# Altium PCB Archimajor.PcbDoc (part 2 of 12) (continued)
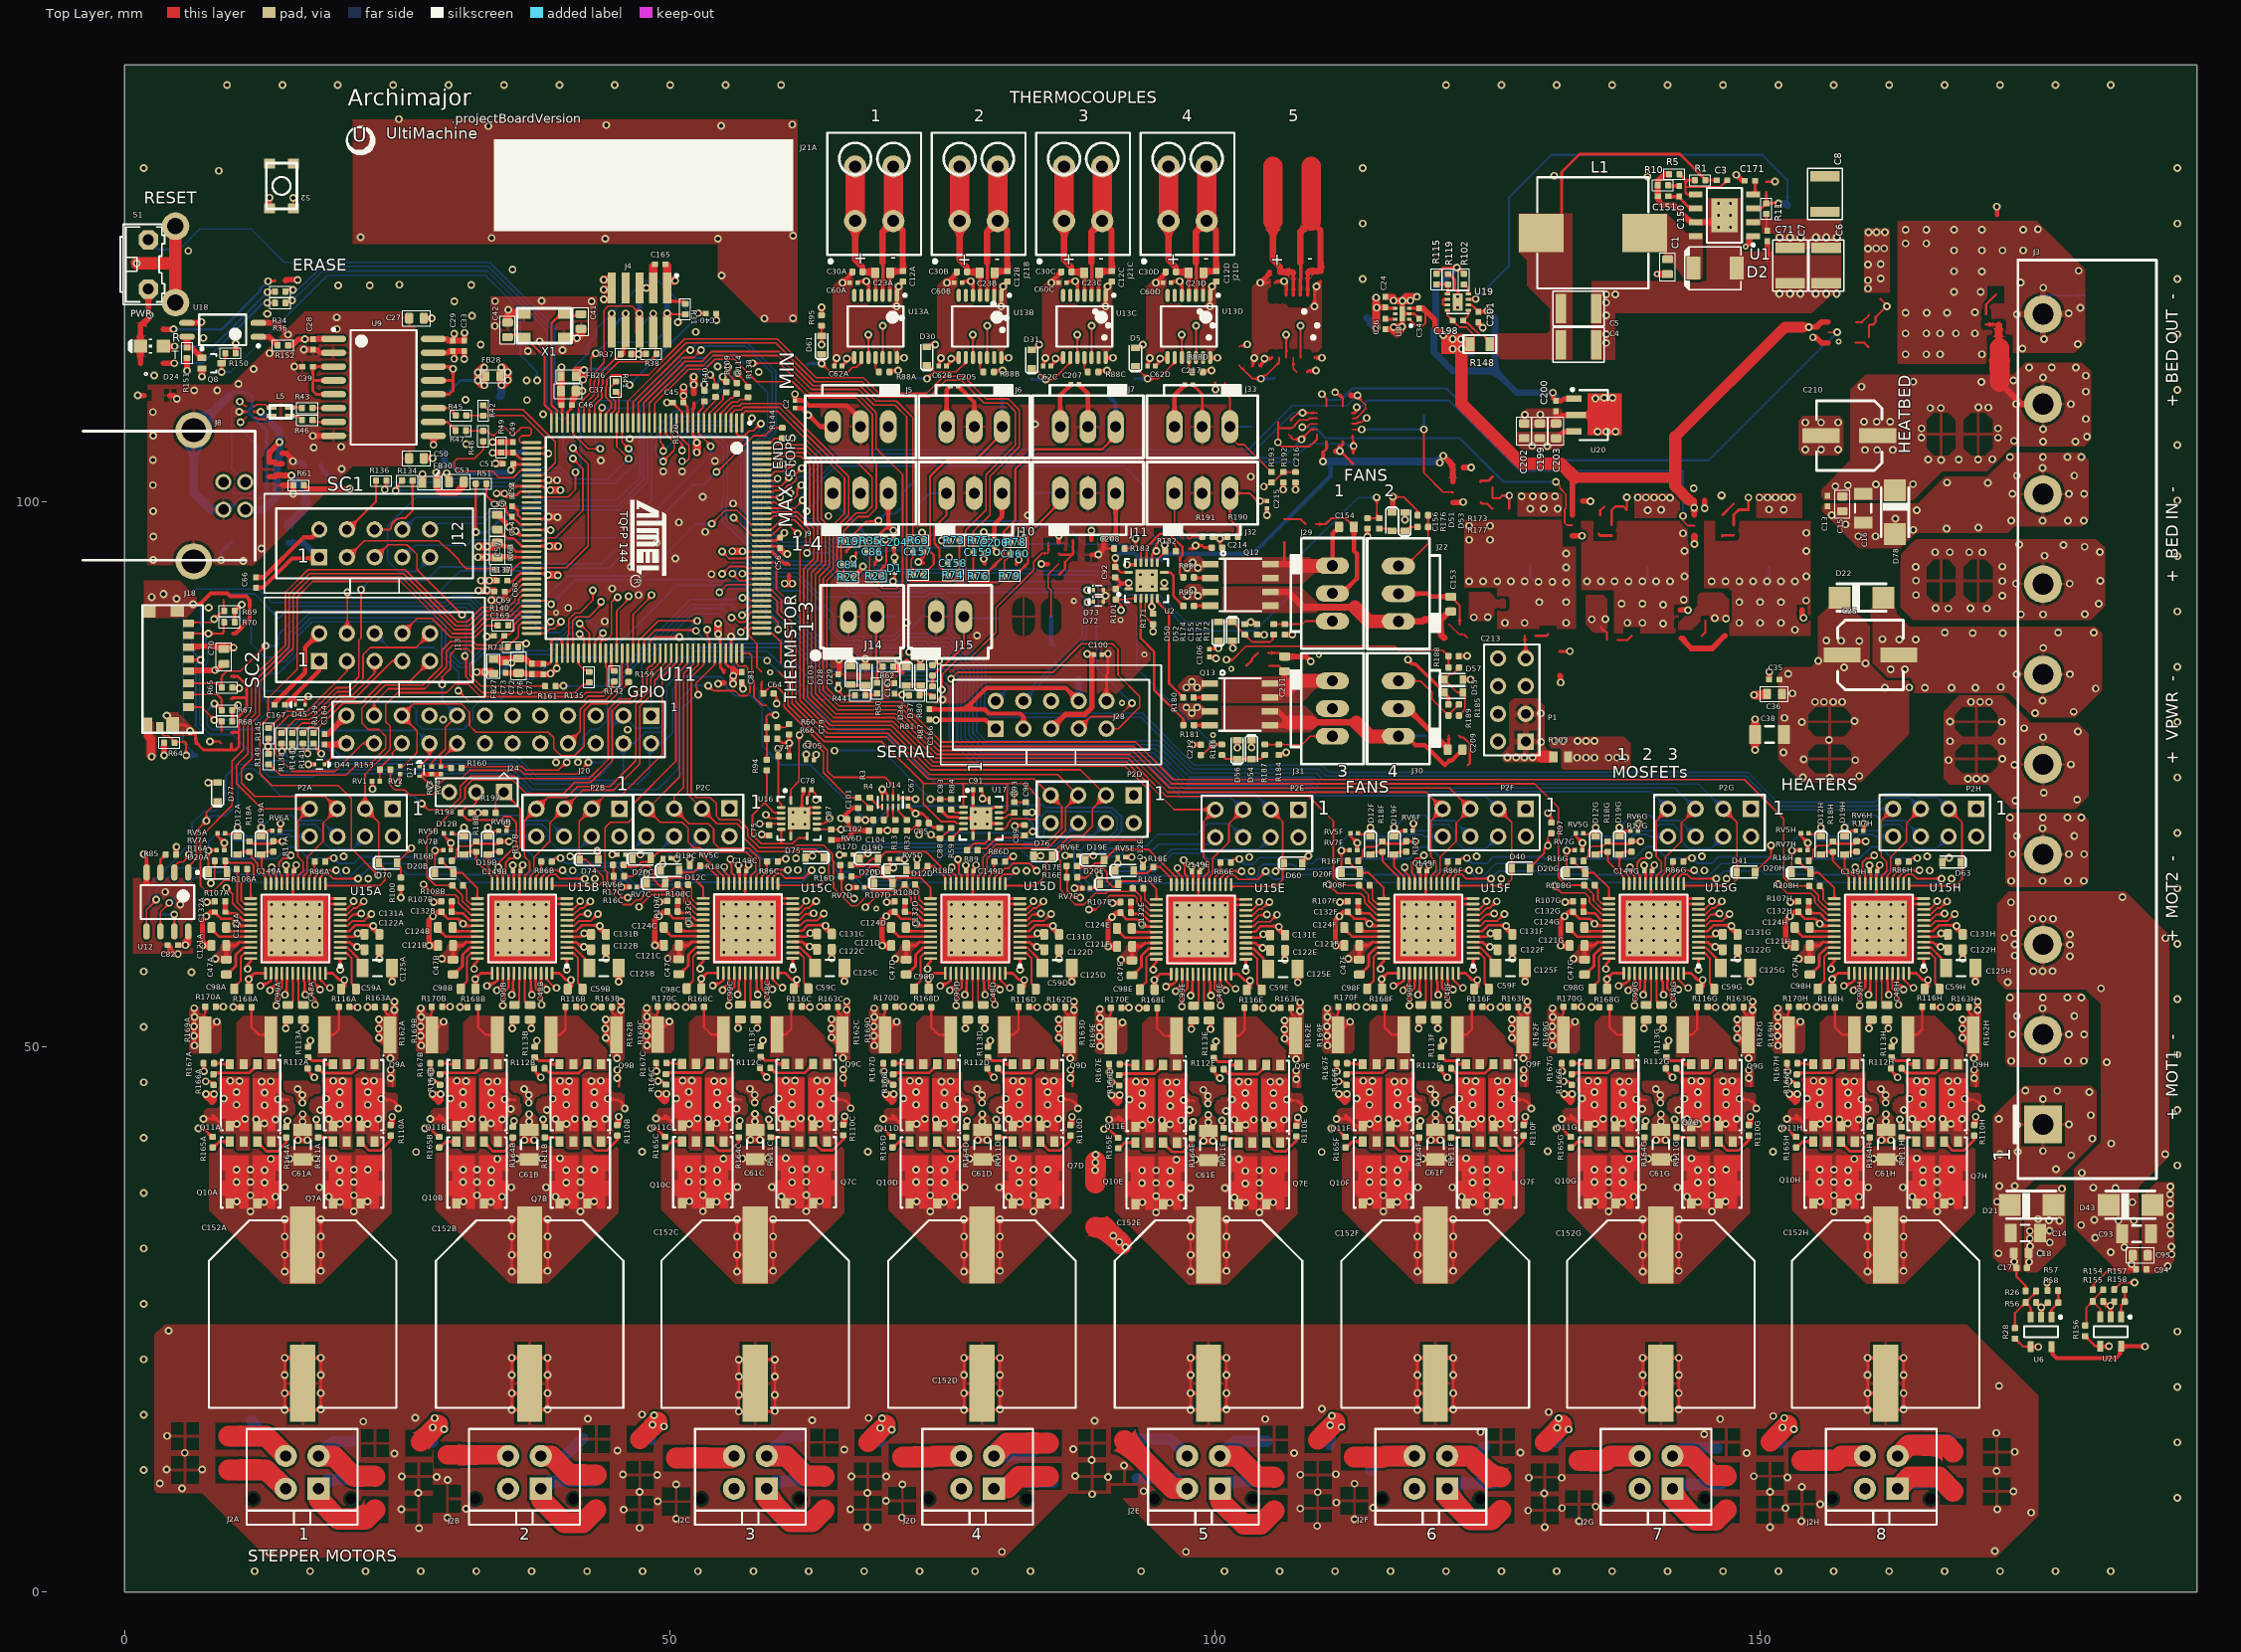
[diagram p0: Top Layer view]
## Footprints (in the part's own frame and the unit in brackets; to place one, negate y for a bottom-side part, rotate by r counter-clockwise, add the part's x,y. Pads: shape width x height; smd on the part's side, far side on the other; paste and mask are expansions set on the pad)
43045-0412 [mm] "Micro-Fit Through Hole 4pos 0.118\" (3.00mm)"
  rect 2.032x2.032 hole 1.02: 1(-1.5,1.5)
  round 2.032 hole 1.02: 2(-1.5,-1.5) 3(1.5,1.5) 4(1.5,-1.5)
  round 0 hole 1.02 unplated: ""(-4.5,2.44) ""(4.5,2.44)
  silkscreen extent -5.07,-3.97 5.08,4.8, body extent -5.07,-3.97 5.08,4.8, height 9.9
"70543-01 PIN-IN-PASTE" [mil]
  oval 60x120 hole 40: 1(-50,0) 2(50,0)
  oval 59x119 on Top Paste: ""(-50,0) ""(50,0)
  silkscreen extent -150,-150 150,113, body extent -150,-150 150,113, height 450
"70543-02 PIN-IN-PASTE" [mil]
  oval 60x120 hole 40: 1(-100,0) 2(0,0) 3(100,0)
  oval 59x119 on Top Paste: ""(-100,0) ""(0,0) ""(100,0)
  silkscreen extent -200,-150 200,113, body extent -200,-150 200,113, height 450
1864286 [mm] "TERM BLOCK 2POS 45DEG 3.5MM PCB"
  round 2.032 hole 1.1: 1(-1.75,-2.5) 1(-1.75,2.5) 2(1.75,-2.5) 2(1.75,2.5)
  silkscreen extent -4.3,-6.34 4.3,5.6, body extent -4.3,-5.6 4.3,5.6, height 10.9
ADuM4160 [mm] "SOIC, 16-Leads, Body 10.30x7.50mm, Pitch 1.27mm, IPC Medium Density"
  oval 2.3x0.6 smd: 1(-4.575,4.445) 2(-4.575,3.175) 3(-4.575,1.905) 4(-4.575,0.635) 5(-4.575,-0.635) 6(-4.575,-1.905) 7(-4.575,-3.175) 8(-4.575,-4.445) 9(4.575,-4.445) 10(4.575,-3.175) 11(4.575,-1.905) 12(4.575,-0.635) 13(4.575,0.635) 14(4.575,1.905) 15(4.575,3.175) 16(4.575,4.445)
  silkscreen extent -4.7,-5.25 3.03,5.42, body extent -3.8,-5.25 3.8,5.25, height 2.65
B3F-31XX [mil]
  oct 70x70 hole 40: 1(-89,-49) 2(89,-49)
  round 100 hole 59: 3(-138,49) 4(138,49)
  silkscreen extent -145,-150 145,10, body extent -165,-200 165,109, height 303
"C0201 Large Pads" [mm] "Chip Capacitor, 2-Leads, Body 0.60x0.30mm, IPC Medium Density"
  rect 0.42x0.42 smd: 1(-0.35,0) 2(0.35,0)
  body extent -0.31,-0.17 0.32,0.16, height 0.33
C0402#1 [mm]
  rect 0.55x0.5 smd: 1(-0.475,0) 2(0.483,0)
  body extent -0.51,-0.25 0.51,0.25, height 0.5
C0402#2 [mm]
  rrect40% 0.559x0.61 smd: 1(-0.475,0) 2(0.475,0)
  body extent -0.5,-0.25 0.51,0.25, height 0.5
C0603 [mm]
  rrect40% 0.74x1 smd: 1(-0.68,0) 2(0.68,0)
  silkscreen extent -1.28,-0.7 1.28,0.7, body extent -0.8,-0.4 0.8,0.4, height 0.8
C1206#1 [mm] "Chip Capacitor, Body 3.2x1.6mm, IPC High Density"
  rect 1.1x1.7 smd: 1(-1.35,0) 2(1.35,0)
  silkscreen extent -0.4,-0.75 0.4,0.75, body extent -1.7,-0.9 1.7,0.9, height 1.3
C1206#2 [mm]
  rect 1.1x1.7 smd: 1(-1.325,0) 2(1.325,0)
  silkscreen extent -0.4,-0.75 0.4,0.75, body extent -1.68,-0.87 1.67,0.88, height 1.6
C1210 [mm]
  rect 0.95x2.7 smd: 1(-1.625,0) 2(1.625,0)
  silkscreen extent -2.35,-1.6 2.35,1.6, body extent -1.75,-1.35 1.75,1.35, height 2.7
CAP16x17 [mm] "Aluminum Electrolytic Capacitor, Body 10.30x10.30x10.80mm, IPC High Density"
  rect 7.05x2.3 smd: 1(-6.345,0) 2(6.345,0)
  silkscreen extent -8.6,-8.6 8.6,8.6, body extent -8.6,-8.6 8.6,8.6, height 17
CAP-ELEC-063063077 [mm] "6.3x6.3x7.7mm"
  rect 3.4x1.4 smd: 1(2.6,0) 2(-2.6,0)
  silkscreen extent -3,-3.2 3,3.2, body extent -3.5,-3.3 3.5,3.3, height 5.4
CON-Barrier-10-8.26mm [mil]
  rect 136x135.98 hole 75.98: 1(-812.5,160)
  oval 136x135.98 hole 75.98: 2(-487.5,160) 3(-162.5,160) 4(162.5,160) 5(487.5,160) 6(812.5,160) 7(1138.29,160) 8(1463.29,160) 9(1788.29,160) 10(2113.29,160)
  silkscreen extent -1008,-250 2308,265, body extent -1007,-250 2308,250, height 530
CRYS320500 [mm]
  rect 1.2x0.9 smd: 1(-1.85,-1.1) 2(1.85,-1.1) 3(1.85,1.1) 4(-1.85,1.1)
  round 0.889 on Top Overlay: ""(-1.85,-2.25)
  silkscreen extent -2.5,-1.6 2.5,1.6, body extent -2.55,-1.65 2.55,1.65, height 1.05
DLW21HN900SQ2L [mm]
  rect 0.9x0.4 smd: 1(-0.85,0.4) 2(0.85,0.4) 3(0.85,-0.4) 4(-0.85,-0.4)
  silkscreen extent -1,-0.6 1,0.6, body extent -1,-0.6 1,0.6, height 1
FB0603 [mm] "Ferrite Bead, Samsung CIS10P High Current Series"
  rect 0.67x0.88 smd: 1(-0.665,0) 2(0.665,0)
  silkscreen extent -1.1,-0.6 1.1,0.6, body extent -0.87,-0.48 0.87,0.48, height 0.95
FTSH-105-XX-X-DV [mm] "1.27mm pitch, 10 pin, terminal strip; vertical, SMT"
  rect 0.75x2.8 smd: 1(2.54,2.03) 2(2.54,-2.03) 3(1.27,2.03) 4(1.27,-2.03) 5(0,2.03) 6(0,-2.03) 7(-1.27,2.03) 8(-1.27,-2.03) 9(-2.54,2.03) 10(-2.54,-2.03)
  silkscreen extent 3.28,3.03 3.52,3.27, body extent -3.14,-2.54 3.14,2.54, height 10
HDR2X4 [mm] "Connector; Header; 4x2 Position"
  rect 1.5x1.5 hole 0.9: 1(0,0)
  round 1.5 hole 0.9: 2(0,2.54) 3(2.54,0) 4(2.54,2.54) 5(5.08,0) 6(5.08,2.54) 7(7.62,0) 8(7.62,2.54)
  silkscreen extent -1.27,-1.27 8.89,3.81, body extent -1.37,-1.37 8.99,3.91, height 6.35
"HDR2X5 IDC" [mm] "Connector; Header; 5x2 Position"
  rect 1.5x1.5 hole 0.9: 1(-5.08,-1.27)
  round 1.5 hole 0.9: 2(-5.08,1.27) 3(-2.54,-1.27) 4(-2.54,1.27) 5(0,-1.27) 6(0,1.27) 7(2.54,-1.27) 8(2.54,1.27) 9(5.08,-1.27) 10(5.08,1.27)
  silkscreen extent -10.11,-4.55 10.11,4.55, body extent -10.19,-4.63 10.19,4.63, height 9.1
HDR2X12 [mm] "Connector; Header; 12x2 Position"
  rect 1.5x1.5 hole 0.9: 1(0,0)
  round 1.5 hole 0.9: 2(0,2.54) 3(2.54,0) 4(2.54,2.54) 5(5.08,0) 6(5.08,2.54) 7(7.62,0) 8(7.62,2.54) 9(10.16,0) 10(10.16,2.54) 11(12.7,0) 12(12.7,2.54) 13(15.24,0) 14(15.24,2.54) 15(17.78,0) 16(17.78,2.54) 17(20.32,0) 18(20.32,2.54) 19(22.86,0) 20(22.86,2.54) 21(25.4,0) 22(25.4,2.54) 23(27.94,0) 24(27.94,2.54)
  silkscreen extent -1.27,-1.27 29.21,3.81, body extent -1.37,-1.37 29.31,3.91, height 10
HDR3X1 [mm]
  rect 1.5x1.5 hole 0.9: 1(-2.54,0)
  round 1.5 hole 0.9: 2(0,0) 3(2.48,0)
  silkscreen extent -3.81,-1.78 3.73,1.27, body extent -3.81,-1.27 3.73,1.27, height 6.35
IND_10X10 [mm]
  rect 4.1x3.5 smd: 1(-4.75,0) 2(4.75,0)
  silkscreen extent -5.1,-5.1 5.1,5.1, body extent -5,-5 5,5, height 4
"KMR 6 Series" [mm] "Tactile Switch SPST-NO Top Actuated Surface Mount"
  rect 0.9x1 smd: 1(-2.05,1.1) 2(2.05,1.1) 3(-2.05,-1.1) 4(2.05,-1.1)
  silkscreen extent -2.1,-1.4 2.1,1.4, body extent -2.1,-1.4 2.1,1.4, height 1.9
LED2012120 [mil]
  rect 48x48 smd: A(-41.34,0) C(42,0)
  silkscreen extent 0,-27 85,27, body extent -50,-25 50,25, height 28
LQFP144_N [mm] "Thin QFP, 144-Leads, Body 20x20mm, Pitch 0.5mm, IPC Medium Density"
  oval 1.8x0.249 smd: 1(-10.55,8.75) 2(-10.55,8.25) 3(-10.55,7.75) 4(-10.55,7.25) 5(-10.55,6.75) 6(-10.55,6.25) 7(-10.55,5.75) 8(-10.55,5.25) 9(-10.55,4.75) 10(-10.55,4.25) 11(-10.55,3.75) 12(-10.55,3.25) 13(-10.55,2.75) 14(-10.55,2.25) 15(-10.55,1.75) 16(-10.55,1.25) 17(-10.55,0.75) 18(-10.55,0.25) 19(-10.55,-0.25) 20(-10.55,-0.75) 21(-10.55,-1.25) 22(-10.55,-1.75) 23(-10.55,-2.25) 24(-10.55,-2.75) 25(-10.55,-3.25) 26(-10.55,-3.75) 27(-10.55,-4.25) 28(-10.55,-4.75) 29(-10.55,-5.25) 30(-10.55,-5.75) 31(-10.55,-6.25) 32(-10.55,-6.75) 33(-10.55,-7.25) 34(-10.55,-7.75) 35(-10.55,-8.25) 36(-10.55,-8.75) 73(10.55,-8.75) 74(10.55,-8.25) 75(10.55,-7.75) 76(10.55,-7.25) 77(10.55,-6.75) 78(10.55,-6.25) 79(10.55,-5.75) 80(10.55,-5.25) 81(10.55,-4.75) 82(10.55,-4.25) 83(10.55,-3.75) 84(10.55,-3.25) 85(10.55,-2.75) 86(10.55,-2.25) 87(10.55,-1.75) 88(10.55,-1.25) 89(10.55,-0.75) 90(10.55,-0.25) 91(10.55,0.25) 92(10.55,0.75) 93(10.55,1.25) 94(10.55,1.75) 95(10.55,2.25) 96(10.55,2.75) 97(10.55,3.25) 98(10.55,3.75) 99(10.55,4.25) 100(10.55,4.75) 101(10.55,5.25) 102(10.55,5.75) 103(10.55,6.25) 104(10.55,6.75) 105(10.55,7.25) 106(10.55,7.75) 107(10.55,8.25) 108(10.55,8.75)
  oval 0.249x1.8 smd: 37(-8.75,-10.55) 38(-8.25,-10.55) 39(-7.75,-10.55) 40(-7.25,-10.55) 41(-6.75,-10.55) 42(-6.25,-10.55) 43(-5.75,-10.55) 44(-5.25,-10.55) 45(-4.75,-10.55) 46(-4.25,-10.55) 47(-3.75,-10.55) 48(-3.25,-10.55) 49(-2.75,-10.55) 50(-2.25,-10.55) 51(-1.75,-10.55) 52(-1.25,-10.55) 53(-0.75,-10.55) 54(-0.25,-10.55) 55(0.25,-10.55) 56(0.75,-10.55) 57(1.25,-10.55) 58(1.75,-10.55) 59(2.25,-10.55) 60(2.75,-10.55) 61(3.25,-10.55) 62(3.75,-10.55) 63(4.25,-10.55) 64(4.75,-10.55) 65(5.25,-10.55) 66(5.75,-10.55) 67(6.25,-10.55) 68(6.75,-10.55) 69(7.25,-10.55) 70(7.75,-10.55) 71(8.25,-10.55) 72(8.75,-10.55) 109(8.75,10.55) 110(8.25,10.55) 111(7.75,10.55) 112(7.25,10.55) 113(6.75,10.55) 114(6.25,10.55) 115(5.75,10.55) 116(5.25,10.55) 117(4.75,10.55) 118(4.25,10.55) 119(3.75,10.55) 120(3.25,10.55) 121(2.75,10.55) 122(2.25,10.55) 123(1.75,10.55) 124(1.25,10.55) 125(0.75,10.55) 126(0.25,10.55) 127(-0.25,10.55) 128(-0.75,10.55) 129(-1.25,10.55) 130(-1.75,10.55) 131(-2.25,10.55) 132(-2.75,10.55) 133(-3.25,10.55) 134(-3.75,10.55) 135(-4.25,10.55) 136(-4.75,10.55) 137(-5.25,10.55) 138(-5.75,10.55) 139(-6.25,10.55) 140(-6.75,10.55) 141(-7.25,10.55) 142(-7.75,10.55) 143(-8.25,10.55) 144(-8.75,10.55)
  silkscreen extent -10.67,-9.25 9.25,9.58, body extent -10,-10 10,10, height 1.6
NCV8402AD-SOIC8 [mil]
  rect 24x60 smd: 1(-75,-108.27) 2(-25,-108.27) 3(25,-108.27) 4(75,-108.27) 5(25,109) 5(75,109) 7(-75,109) 7(-25,109)
  silkscreen extent -122,-75 95,75, body extent -98,-130 99,130, height 58
PN61729 [mil]
  round 58 hole 38: 1(50,186) 2(-49.21,186) 3(-49.21,107) 4(50,107)
  round 130.5 hole 87: 5(-236.22,0) 6(237,0)
  body extent -237,-405 238,226, height 406
PVQFN14_3.5X3.5 [mm] "QFN, 14-Leads, Body 3.50x3.50mm, Pitch 1.50mm/0.50mm, Thermal Pad 2.05x2.05mm, IPC High Density"
  oval 0.8x0.28 smd: 1(-1.631,-0.75) 7(1.631,-0.75) 8(1.631,0.75) 14(-1.631,0.75)
  oval 0.28x0.8 smd: 2(-1,-1.631) 3(-0.5,-1.631) 4(0,-1.631) 5(0.5,-1.631) 6(1,-1.631) 9(1,1.631) 10(0.5,1.631) 11(0,1.631) 12(-0.5,1.631) 13(-1,1.631)
  rect 2.05x2.05 smd paste-1.143: 15(0,0)
  silkscreen extent -2.66,-1.97 1.97,1.97, body extent -1.83,-1.83 1.83,1.83, height 1
QFN50P350X350X100_RGY_S-PVQFN-N14 [mm] "QFN, 14-Leads, Body 3.50x3.50mm, Pitch 1.50mm/0.50mm, Thermal Pad 2.05x2.05mm, IPC High Density"
  oval 0.8x0.28 smd: 1(-1.631,-0.75) 7(1.631,-0.75) 8(1.631,0.75) 14(-1.631,0.75)
  oval 0.28x0.8 smd: 2(-1,-1.631) 3(-0.5,-1.631) 4(0,-1.631) 5(0.5,-1.631) 6(1,-1.631) 9(1,1.631) 10(0.5,1.631) 11(0,1.631) 12(-0.5,1.631) 13(-1,1.631)
  rect 2.05x2.05 smd paste-1.143: 15(0,0)
  silkscreen extent -2.66,-1.97 1.97,1.97, body extent -1.83,-1.83 1.83,1.83, height 1
R0402 [mil]
  rrect40% 22x24 smd: 1(-18.9,0) 2(19,0)
  silkscreen extent -38,-19 38,20, body extent -20,-10 20,10, height 14
R0402TBD [mil]
  rrect40% 22x24 smd: 1(-18.9,0) 2(19,0)
  silkscreen extent -38,-19 38,20, body extent -20,-10 20,10, height 14
R0603 [mil]
  rect 29x39 smd: 1(-26.75,0) 2(26.75,0)
  body extent -34,-19 34,19, height 22
R0805 [mm]
  rect 0.8x1.25 smd mask+0.051: 1(-0.9,0) 2(0.9,0)
  silkscreen extent -1.5,-0.82 1.5,0.82, body extent -1.05,-0.67 1.05,0.67, height 0.6
R2512 [mm]
  rect 1.15x3.35 smd: 1(-3,0) 2(3,0)
  body extent -3.22,-1.68 3.22,1.68, height 0.65
S25FL216K0PMFI041 [mm] "SOIC, 8-Leads, Body 4.90x3.90mm, Pitch 1.27mm, IPC Medium Density"
  oval 1.5x0.6 smd: 1(-2.7,1.905) 2(-2.7,0.635) 3(-2.7,-0.635) 4(-2.7,-1.905) 5(2.7,-1.905) 6(2.7,-0.635) 7(2.7,0.635) 8(2.7,1.905)
  silkscreen extent -2.82,-2.45 1.55,2.88, body extent -1.95,-2.45 1.95,2.45, height 1.75
"SD_MICRO 475710001" [mm] "CONN MICRO SD CARD PUSH-PULL R/A Half length"
  rect 0.7x1 smd: 1(3.85,1.465) 2(2.75,1.465) 3(1.65,1.465) 4(0.55,1.465) 5(-0.55,1.465) 6(-1.65,1.465) 7(-2.75,1.465) 8(-3.85,1.465)
  rect 1.05x1.2 smd: 9(-4.975,0.415)
  rect 1.15x1.2 smd: 10(-4.925,-2.175)
  rect 1.45x1.2 smd: 11(5.475,-0.025)
  rect 1x0.694 smd: 12(5.7,-1.175)
  rect 1.4x0.9 smd: 13(5.5,-2.325)
  silkscreen extent -5.5,-2.78 6.2,2.78, body extent -5.38,-2.55 6.02,2.9, height 2.36
SMA-SM [mil]
  rect 79x79 smd: A(79,0) K(-78.74,0)
  round 25 on Top Overlay: ""(-107.28,56.1)
  silkscreen extent -89,-49 89,50, body extent -105,-54 105,55, height 116
SMB_DO-214AA_LRG [mil]
  rect 50x83 smd mask+2: A(78,0) K(-78,0)
  silkscreen extent -109,-78 93,78
"SO8FL-Dual (DFN8 5x6, 1.26P Dual Flag)" [mm] "SON, 8-Leads, Body 5.15x6.15mm, Pitch 1.27mm, IPC High Density"
  rect 0.75x0.95 smd: 1(-1.905,-2.835) 2(-0.635,-2.835) 3(0.635,-2.835) 4(1.905,-2.835)
  rect 0.75x0.95 smd paste-1 mask-1: 5(1.905,2.835) 7(-0.635,2.835)
  Top Layer region: 2.775,-1.55 0.2,-1.55 0.2,3.31 1.005,3.31 1.005,2.75 1.53,2.75 1.53,3.31 2.28,3.31 2.28,2.15 2.775,2.15 2.775,0.75 2.28,0.75 2.28,-0.15 2.775,-0.15
  Top Layer region: -2.775,-1.55 -0.2,-1.55 -0.2,3.31 -1.005,3.31 -1.005,2.75 -1.53,2.75 -1.53,3.31 -2.28,3.31 -2.28,2.15 -2.775,2.15 -2.775,0.75 -2.28,0.75 -2.28,-0.15 -2.775,-0.15
  silkscreen extent -2.78,-3.67 2.73,3.22, body extent -2.58,-3.08 2.58,3.08, height 1.1
SO-4 [mm]
  oval 1.45x0.55 smd: 1(-3.275,0.635) 2(-3.275,-0.635) 3(3.275,-0.635) 4(3.275,0.635)
  silkscreen extent -3.4,-1.4 2.15,1.58, body extent -3.57,-1.4 3.57,1.4, height 2.1
SOD523_IPC [mm]
  rect 0.6x0.8 smd: A(0.85,0) K(-0.85,0)
  silkscreen extent -1.35,-0.55 1.07,0.55, body extent -0.65,-0.45 0.65,0.45, height 0.65
SOD923-100X40-2N [mm] "SODFL, 2-Leads, Body 0.60x1.00mm, IPC Medium Density"
  rect 0.3x0.4 smd paste-0.025: A(0.45,0) C(-0.45,0)
  silkscreen extent -0.55,0.35 -0.45,0.45, body extent -0.42,-0.33 0.43,0.33, height 0.4
SOD923-D [mm] "SODFL, 2-Leads, Body 0.60x1.00mm, IPC Medium Density"
  rect 0.3x0.4 smd paste-0.025: A(0.45,0) K(-0.45,0)
  silkscreen extent -0.97,-0.43 0.33,0.43, body extent -0.42,-0.33 0.43,0.33, height 0.4
SOIC127P600X170_HS-9L [mm] "SOIC, 8-Leads, Body 4.90x3.90mm, Pitch 1.27mm, Thermal Pad 3.10x2.40mm, IPC High Density"
  rect 1.25x0.55 smd: 1(-2.625,1.905) 2(-2.625,0.635) 3(-2.625,-0.635) 4(-2.625,-1.905) 5(2.625,-1.905) 6(2.625,-0.635) 7(2.625,0.635) 8(2.625,1.905)
  rect 2.4x3.1 smd: 9(0,0)
  silkscreen extent -2.75,-2.5 1.6,2.85, body extent -2,-2.5 2,2.5, height 1.7
SOT23-5 [mm]
  rect 1x0.55 smd: 1(-1.35,0.95) 2(-1.35,0) 3(-1.35,-0.95) 4(1.35,-0.95) 5(1.35,0.95)
  silkscreen extent -1.47,-1.55 0.5,1.9, body extent -1.5,-1.53 1.5,1.53, height 1.45
"SOT523 SMALL" [mm]
  rect 0.8x0.55 smd: 1(-0.9,0.5) 2(-0.9,-0.5) 3(0.9,0)
  silkscreen extent -1.02,-0.85 0.43,1.45, body extent -0.43,-0.85 0.43,0.85, height 0.8
SOT-89-3 [mm]
  rect 1.4x0.6 smd: 1(-1.8,1.5) 3(-1.8,-1.5)
  rect 1.8x0.6 smd: 2(-1.6,0)
  Top Layer region: -0.705,0.295 -0.05,0.95 1.85,0.95 2.5,0.3 2.5,-0.3 1.85,-0.95 -0.05,-0.95 -0.705,-0.295
  silkscreen extent -2.05,-2.3 1.32,2.47, body extent -2.2,-2.3 1.85,2.3, height 1.6
TDFN1616-6LD-PL-1 [mm] "1.6mmx1.6mm"
  rect 0.28x0.4 smd mask+0.13: 1(-0.5,-0.65) 2(0,-0.65) 3(0.5,-0.65) 4(0.5,0.65) 5(0,0.65) 6(-0.5,0.65)
  rect 1.4x0.483 smd paste-1 mask+0.07: 7(0,0)
  silkscreen extent -1.2,-0.9 -1,-0.7, body extent -0.8,-0.8 0.8,0.8, height 0.55
TP1-27#1 [mm]
  rrect100% 1.27x1.27 smd paste-1.27: TP(0,0)
  body extent -0.64,-0.64 0.63,0.64, height 0.01
TP1-27#2 [mm]
  rrect100% 1.27x1.27 smd: TP(0,0)
  body extent -0.63,-0.64 0.64,0.64, height 0.01
TP-2 [mm]
  round 1.27 smd paste-2: 1(0,0)
  body extent -0.63,-0.63 0.63,0.63, height 0.03
TQFP48-EP [mm] "TSQFP, 48-Leads, Body 7.00x7.00mm, Pitch 0.50mm, Thermal Pad 5.10x5.10mm, IPC High Density"
  oval 1.2x0.25 smd: 1(-4.1,2.75) 2(-4.1,2.25) 3(-4.1,1.75) 4(-4.1,1.25) 5(-4.1,0.75) 6(-4.1,0.25) 7(-4.1,-0.25) 8(-4.1,-0.75) 9(-4.1,-1.25) 10(-4.1,-1.75) 11(-4.1,-2.25) 12(-4.1,-2.75) 25(4.1,-2.75) 26(4.1,-2.25) 27(4.1,-1.75) 28(4.1,-1.25) 29(4.1,-0.75) 30(4.1,-0.25) 31(4.1,0.25) 32(4.1,0.75) 33(4.1,1.25) 34(4.1,1.75) 35(4.1,2.25) 36(4.1,2.75)
  oval 0.25x1.2 smd: 13(-2.75,-4.1) 14(-2.25,-4.1) 15(-1.75,-4.1) 16(-1.25,-4.1) 17(-0.75,-4.1) 18(-0.25,-4.1) 19(0.25,-4.1) 20(0.75,-4.1) 21(1.25,-4.1) 22(1.75,-4.1) 23(2.25,-4.1) 24(2.75,-4.1) 37(2.75,4.1) 38(2.25,4.1) 39(1.75,4.1) 40(1.25,4.1) 41(0.75,4.1) 42(0.25,4.1) 43(-0.25,4.1) 44(-0.75,4.1) 45(-1.25,4.1) 46(-1.75,4.1) 47(-2.25,4.1) 48(-2.75,4.1)
  rect 5.1x5.1 smd: 49(0,0)
  silkscreen extent -4.23,-3.1 3.1,3.55, body extent -3.5,-3.5 3.5,3.5, height 1.2
"TSSOP-14L 65P640X110" [mm] "TSOP, 14-Leads, Body 5.00x4.40mm, Pitch 0.65mm, IPC High Density"
  oval 1.2x0.4 smd: 1(-2.85,1.95) 2(-2.85,1.3) 3(-2.85,0.65) 4(-2.85,0) 5(-2.85,-0.65) 6(-2.85,-1.3) 7(-2.85,-1.95) 8(2.85,-1.95) 9(2.85,-1.3) 10(2.85,-0.65) 11(2.85,0) 12(2.85,0.65) 13(2.85,1.3) 14(2.85,1.95)
  silkscreen extent -2.97,-2.55 1.85,2.83, body extent -2.25,-2.55 2.25,2.55, height 1.1
WSON8_2X2MM [mm]
  rect 0.5x0.25 smd paste-0.025 mask+0.051: 1(-0.95,0.75) 2(-0.95,0.25) 3(-0.95,-0.25) 4(-0.95,-0.75) 5(0.95,-0.75) 6(0.95,-0.25) 7(0.95,0.25) 8(0.95,0.75)
  rect 0.9x1.6 smd mask+0.051: 9(0,0)
  round 0.35 on Top Overlay paste-0.9 mask+0.051: ""(-1.47,0.75)
  silkscreen extent -1.05,-1.05 1.05,1.05, body extent -1.05,-1.05 1.05,1.05, height 0.02
XSON50P100X50-8L [mm] "SON, 8-Leads, Body 1.95x1.00mm, Pitch 0.50mm, IPC High Density"
  rect 0.65x0.2 smd: 1(-0.415,0.75)
  rect 0.6x0.2 smd: 2(-0.415,0.25) 3(-0.415,-0.25) 4(-0.415,-0.75) 5(0.415,-0.75) 6(0.415,-0.25) 7(0.415,0.25) 8(0.415,0.75)
  silkscreen extent -0.97,-1.15 0.53,1.2, body extent -0.53,-1 0.53,1, height 0.5
